# KiCad board Tanner 64k SRAM.kicad_pcb (continued)
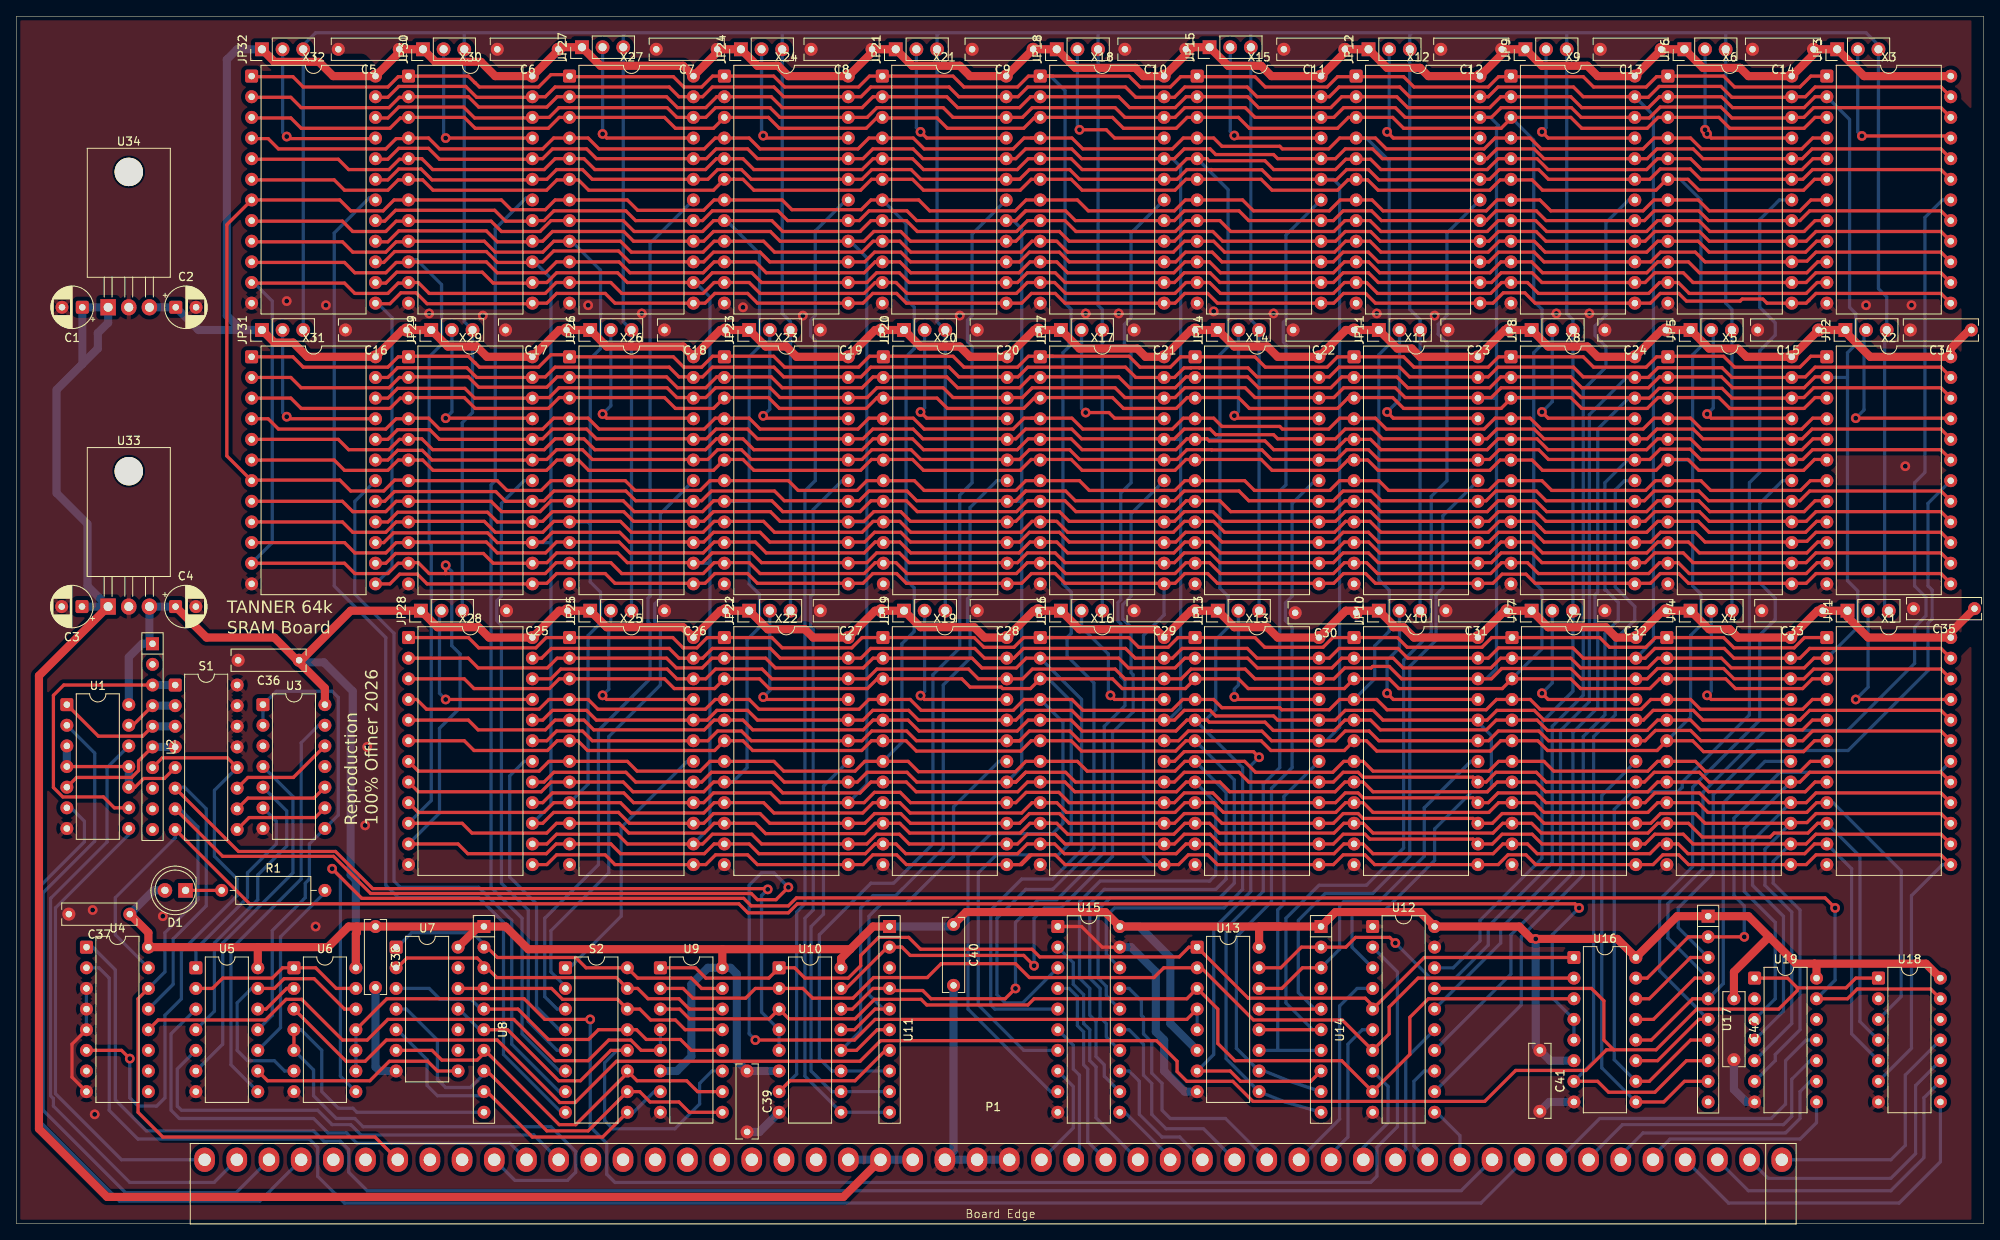
[diagram p0: board, top side]
## Routing (per net, layer and track width the routed paths; a pad name or vN(x,y) marks a point on that pad's centre or on a via; arc(x,y) is an arc through that point) (continued)
/RAM Chips/DS2: length 34.5
  Top w0.4: 54.48,28.96 65.87,28.96 67.21,27.62 73.98,27.62 S2.14 76.71,26.42 78.05,25.08 81.1,25.08 82.3,23.88 U9.13
/RAM Chips/DS3: length 44.2
  Top w0.4: 57.91,26.42 61.72,26.42 65.46,22.68 70.43,22.68 71.63,23.88 S2.13 76.32,23.88 77.52,22.68 81.72,22.68 83.06,21.34 U9.12
  Bottom w0.4: 46.86,28.96 50.8,28.96 52.14,27.62 55.95,27.62 57.15,26.42 57.91,26.42
/RAM Chips/DS4: length 56
  Top w0.4: 57.91,23.88 60.45,23.88 66.73,17.6 69.41,17.6 73.15,21.34 S2.12
  Bottom w0.4: U9.11 85.6,18.8 84.07,17.27 84.07,14.73 81.03,11.68 73.41,11.68 72.39,12.7 72.39,19.81 73.91,21.34 75.44,21.34 ; 54.48,26.42 57.02,23.88 57.91,23.88
/RAM Chips/DS5: length 48.9
  Top w0.4: 46.86,21.34 51.16,21.34 52.36,20.14 56.71,20.14 57.91,21.34 57.91,21.08 66.8,12.19 68.83,12.19 75.18,18.54 S2.11 76.38,17.6 82.48,17.6 83.82,16.26 U9.10
/RAM Chips/DS6: length 53.8
  Top w0.4: 57.91,18.8 65.28,11.43 70.36,11.43 S2.10 76.71,16.26 77.98,14.99 81.53,14.99 82.8,13.72 U9.9
  Bottom w0.4: 57.91,18.8 55.88,16.76 52.83,16.76 51.82,17.78 51.82,22.61 48.01,26.42 46.86,26.42
/RAM Chips/DS7: length 42.2
  Top w0.4: 57.91,16.26 63.5,10.67 72.14,10.67 S2.9
  Bottom w0.4: 57.91,16.26 57.4,15.75 51.82,15.75 50.55,17.02 50.55,20.19 46.86,23.88 ; U9.7 78.49,16.26 75.95,13.72 75.44,13.72
/RAM Chips/~{CE0}: length 60.1
  Top w0.4: v1(212.6,35.31) U17.2 205.74,35.31 200.66,30.23 U16.15
  Bottom w0.4: v1(212.6,35.31) 212.6,39.12 211.33,40.39 211.33,49.91 216.97,55.56 236.66,55.56 X1.18
/RAM Chips/~{CE1}: length 92
  Top w0.4: U17.3 205.99,32.77 200.91,27.69 U16.14
  Bottom w0.4: X2.18 235.2,88.65 235.2,78.49 235.71,77.98 235.71,74.42 235.2,73.91 235.2,68.07 225.37,58.24 214.19,58.24 208.79,52.83 208.79,43.18 204.47,38.86 204.47,36.45 U17.3
/RAM Chips/~{CE2}: length 130.9
  Top w0.4: U17.4 206.5,30.23 201.42,25.15 U16.13
  Bottom w0.4: X3.18 236.98,125.98 234.82,123.83 234.82,92.46 233.55,91.19 233.55,78.49 234.95,77.09 234.95,74.8 233.55,73.41 233.55,68.96 225.3,60.71 215.14,60.71 207.52,53.09 207.52,43.69 203.2,39.37 203.2,35.18 U17.4
/RAM Chips/~{CE3}: length 46.3
  Top w0.4: U16.12 201.17,22.61 206.25,27.69 U17.5
  Bottom w0.4: X4.18 215.14,56.9 210.02,51.78 210.02,29.56 U17.5
/RAM Chips/~{CE4}: length 88.7
  Top w0.4: U17.6 207.01,25.15 201.93,20.07 U16.11
  Bottom w0.4: U17.6 202.18,31.12 202.18,39.88 206.25,43.94 206.25,53.72 214.5,61.98 214.5,72.45 216.41,74.36 216.41,76.96 214.5,78.87 214.5,88.65 217.3,91.44 X5.18
/RAM Chips/~{CE5}: length 135.4
  Top w0.4: U16.10 200.91,17.53 205.99,22.61 U17.7
  Bottom w0.4: X6.18 216.92,125.98 214.5,123.57 214.5,112.78 216.41,110.87 216.41,109.35 214.5,107.44 214.5,92.46 213.23,91.19 213.23,62.61 204.98,54.36 204.98,53.72 204.41,53.16 198.77,53.16 196.6,50.99 196.6,20.19 U16.10
/RAM Chips/~{CE6}: length 55.3
  Top w0.4: U16.9 202.69,14.99 205.23,17.53 U17.9
  Bottom w0.4: U16.9 195.07,19.18 195.07,52.71 X7.18
/RAM Chips/~{CE7}: length 98.4
  Top w0.4: U16.7 194.56,17.53 195.9,16.19 201.61,16.19 205.49,20.07 U17.8
  Bottom w0.4: X8.18 197.87,91.44 196.72,90.3 196.72,78.36 199.14,75.95 199.14,74.3 196.72,71.88 196.72,62.61 194.06,59.94 194.06,19.94 U16.7
/RAM Chips/~{CE8}: length 134.2
  Top w0.4: v1(169.67,34.54) 168.98,35.24 164.78,35.24 163.58,34.04 U14.2 158.11,34.04 155.57,31.5 U13.15
  Bottom w0.4: X9.18 198.37,125.98 195.58,123.19 195.58,111.76 195.53,111.76 194.25,110.48 194.25,109.28 195.58,107.95 195.58,105.41 192.79,102.62 192.79,65.02 188.98,61.21 188.98,44.45 181.1,36.58 181.1,34.29 177.11,30.3 173.92,30.3 v1(169.67,34.54)
/RAM Chips/~{CE9}: length 45.1
  Top w0.4: U14.3 158.24,31.5 155.7,28.96 U13.14
  Bottom w0.4: U14.3 162.81,33.78 162.81,39.12 163.32,39.62 167.64,39.62 173.23,45.21 173.23,51.18 178.94,56.9 X10.18
/RAM Chips/~{CE10}: length 86.8
  Top w0.4: U13.13 U14.5
  Bottom w0.4: U14.5 159.77,26.42 157.73,28.45 157.73,37.34 161.04,40.64 166.88,40.64 171.45,45.21 171.45,68.58 174.69,71.82 174.69,77.41 175.51,78.23 175.51,87.12 X11.18
/RAM Chips/~{CE11}: length 126.3
  Top w0.4: U13.12 U14.6
  Bottom w0.4: U14.6 159.51,23.88 156.21,27.18 156.21,37.59 160.27,41.66 166.12,41.66 170.69,46.23 170.69,69.34 174.09,72.74 174.09,89.51 176.02,91.44 176.02,108.46 175.97,108.46 174.94,109.48 174.94,110.68 176.02,111.76 176.02,121.92 X12.18
/RAM Chips/~{CE12}: length 45.3
  Bottom w0.4: 155.19,21.34 155.19,38.61 155.96,39.37 155.96,52.58 X13.18 ; 155.19,21.34 U14.7 ; 155.19,21.34 U13.11
/RAM Chips/~{CE13}: length 87.1
  Bottom w0.4: U14.9 156.72,17.53 153.54,18.8 U13.10 150.11,21.59 150.11,35.31 154.43,39.62 154.43,53.59 156.97,56.13 156.97,73.41 156.15,74.23 156.15,76.39 156.97,77.22 156.97,88.65 159.77,91.44 X14.18
/RAM Chips/~{CE14}: length 124.6
  Bottom w0.4: U14.10 156.08,14.99 U13.9 148.84,20.32 148.84,36.32 153.42,40.89 153.42,54.1 155.45,56.13 155.45,90.17 156.21,90.93 156.21,108.2 155.89,108.52 155.89,110.93 156.21,111.25 156.21,121.67 X15.18
/RAM Chips/~{CE15}: length 70.5
  Top w0.4: U13.7 149.35,18.8 150.62,17.53 159.26,17.53 U14.8 ; v1(152.91,57.4) 152.22,58.1 143.69,58.1 142.49,56.9 X16.18
  Bottom w0.4: v1(152.91,57.4) 151.89,56.39 151.89,40.89 147.32,36.32 147.32,20.83 U13.7
/RAM Chips/~{CE16}: length 95.4
  Top w0.4: v1(125.22,31.75) 123.95,33.02 109.98,33.02 108.97,34.04 U11.2 107.19,34.04 102.11,28.96 U10.15
  Bottom w0.4: v1(125.22,31.75) 125.22,37.59 126.49,38.86 128.52,38.86 134.87,45.21 134.87,60.45 137.41,62.99 137.41,67.56 137.16,67.82 137.16,73.41 136.14,74.42 136.14,76.2 137.16,77.22 137.16,87.38 X17.18
/RAM Chips/~{CE17}: length 130.9
  Top w0.4: v1(122.94,28.96) 121.67,27.69 112.54,27.69 111.53,28.7 107.7,28.7 U11.4 105.41,28.96 102.87,26.42 U10.14
  Bottom w0.4: v1(122.94,28.96) 122.94,37.08 125.73,39.88 128.02,39.88 133.86,45.72 133.86,61.21 136.4,63.75 136.4,66.8 135.89,67.31 135.89,73.83 135.54,74.17 135.54,76.45 135.89,76.79 135.89,89.92 137.16,91.19 137.16,107.44 136.33,108.27 136.33,110.68 137.16,111.51 137.16,121.92 X18.18
/RAM Chips/~{CE18}: length 48.4
  Top w0.4: U11.5 105.66,26.42 103.12,23.88 U10.13
  Bottom w0.4: U11.5 106.68,26.42 104.9,28.19 104.9,37.85 106.43,39.37 109.47,39.37 115.32,45.21 115.32,51.31 120.9,56.9 X19.18
/RAM Chips/~{CE19}: length 88.2
  Top w0.4: U10.12 103.38,21.34 105.92,23.88 U11.6
  Bottom w0.4: U10.12 103.89,23.75 103.89,38.86 105.41,40.39 108.2,40.39 114.05,46.23 114.05,66.29 117.35,69.6 117.35,73.41 117.03,73.72 117.03,76.9 117.35,77.22 117.35,88.14 120.65,91.44 X20.18
/RAM Chips/~{CE20}: length 126.6
  Bottom w0.4: U11.8 U10.11 100.33,18.8 98.81,20.32 98.81,35.56 105.16,41.91 107.95,41.91 112.78,46.74 112.78,67.56 116.08,70.87 116.08,89.66 117.6,91.19 117.6,107.95 117.03,108.52 117.03,111.19 117.6,111.76 117.6,121.79 121.79,125.98
/RAM Chips/~{CE21}: length 50.7
  Bottom w0.4: U11.9 U10.10 100.33,16.26 97.79,18.8 97.79,36.58 99.31,38.1 99.31,53.85 X22.18
/RAM Chips/~{CE22}: length 88.6
  Bottom w0.4: 107.44,13.46 107.19,13.72 U10.9 97.03,18.16 97.03,37.59 98.04,38.61 98.04,73.15 97.73,73.47 97.73,77.15 98.04,77.47 98.04,87.88 101.6,91.44 X23.18
/RAM Chips/~{CE23}: length 129.6
  Top w0.4: U10.7 95.19,17.6 103.19,17.6 106.93,21.34 U11.7
  Bottom w0.4: X24.18 102.11,125.98 98.3,122.17 98.3,111.76 97.73,111.19 97.73,109.28 98.3,108.71 98.3,91.44 97.03,90.17 97.03,39.37 96.01,38.35 96.01,18.42 U10.7
/RAM Chips/~{CE24}: length 32.4
  Bottom w0.4: X25.18 82.55,56.9 74.42,48.77 74.42,37.85 68.07,31.5 67.82,31.5
/RAM Chips/~{CE25}: length 71.2
  Bottom w0.4: X26.18 79.25,87.38 79.25,76.96 78.56,76.27 78.56,74.1 79.25,73.41 79.25,66.29 72.9,59.94 72.9,43.18 65.79,36.07 65.79,30.99 67.82,28.96
/RAM Chips/~{CE26}: length 109.3
  Bottom w0.4: X27.18 77.98,120.65 77.98,77.22 77.72,76.96 77.72,74.08 77.98,73.83 77.98,67.06 71.63,60.71 71.63,44.2 65.02,37.59 65.02,27.94 66.55,26.42 67.82,26.42
/RAM Chips/~{CE27}: length 38.3
  Bottom w0.4: 67.82,23.88 66.8,23.88 64.01,26.67 64.01,39.37 60.71,42.67 60.71,55.12 62.48,56.9 X28.18
/RAM Chips/~{CE28}: length 76.9
  Bottom w0.4: X29.18 62.48,91.44 59.69,88.65 59.69,77.22 59.12,76.64 59.12,74.23 59.69,73.66 59.69,41.91 62.99,38.61 62.99,24.89 66.55,21.34 67.82,21.34
/RAM Chips/~{CE29}: length 114.6
  Bottom w0.4: X30.18 63.25,126.24 62.74,126.24 58.93,122.43 58.93,91.44 58.42,90.93 58.42,41.4 62.23,37.59 62.23,23.37 66.8,18.8 67.82,18.8
/RAM Chips/~{CE30}: length 93.3
  Bottom w0.4: X31.18 41.66,88.9 41.66,77.47 46.48,72.64 46.48,42.16 47.24,41.4 56.9,41.4 60.96,37.34 60.96,22.1 66.8,16.26 67.82,16.26
/RAM Chips/~{CE31}: length 133.3
  Bottom w0.4: 67.82,13.72 67.06,13.72 59.94,20.83 59.94,37.08 56.9,40.13 46.99,40.13 45.47,41.66 45.47,72.14 39.12,78.49 39.12,121.92 43.43,126.24 43.94,126.24 X32.18
/S0: length 37.3
  Top w0.4: U2.3 5.84,66.29 4.57,65.02 4.57,53.67 5.73,52.52 10.73,52.52 12.06,51.18 U1.9
  Bottom w1: S1.1 19.56,66.42 19.43,66.29 U2.3
/S1: length 6.9
  Top w0.4: U1.13 14.35,61.34 U2.4
  Bottom w1: U2.4 19.43,63.75 19.56,63.88 S1.2
/S2: length 15.4
  Top w0.4: U1.1 10.1,60 15.55,60 U2.5
  Bottom w1: U2.5 S1.3
/S3: length 16.1
  Top w0.4: U2.6 15.04,56.95 15.04,55.76 14.2,54.92 7.42,54.92 U1.5
  Bottom w1: U2.6 S1.4
/VMA: length 60
  Bottom w0.4: U5.3 19.05,23.37 19.05,13.97 20.07,12.95 36.58,12.95 38.35,11.18 40.64,11.18 41.91,9.91 60.74,9.91 P1.40
/~{AS}: length 218.1
  Top w0.4: v1(192.28,38.86) 191.77,39.37 96.1,39.37 94.99,38.26 90.01,38.26 88.9,39.37 28.7,39.37 S1.8
  Bottom w0.4: U16.5 U16.4 188.98,27.81 188.98,35.56 v1(192.28,38.86) ; S1.8 19.56,47.5 12.19,40.13 12.19,35.56 U4.15
/~{BS}: length 241.1
  Top w0.4: v1(90.93,22.61) 103.12,22.61 105.66,25.15 144.02,25.15 U13.4 ; v1(95,41.4) 93.47,39.88 91.19,39.88 90.42,40.64 43.6,40.64 39.03,45.21 25.4,45.21 S1.7 ; P1.44 44.14,10.67 18.03,10.67 14.99,13.72 14.99,27.69 U4.14
  Bottom w0.4: S1.7 19.68,51.18 20,51.18 22.35,48.83 22.35,39.88 18.29,35.81 18.29,30.99 U4.14 ; v1(95,41.4) 93.22,43.18 91.69,43.18 90.17,41.66 90.17,23.37 v1(90.93,22.61) ; U13.5 U13.4
/~{CS}: length 131.6
  Top w0.4: v1(92.46,41.15) 92.36,41.24 43.85,41.24 39.28,45.81 27.34,45.81 S1.6
  Bottom w0.4: v1(92.46,41.15) 91.69,40.39 91.69,26.04 U10.4 U10.5 ; U4.13 19.3,29.46 19.3,35.05 23.37,39.12 23.37,51.05 20.7,53.72 19.68,53.72 S1.6
/~{DS_SEL}: length 51.7
  Bottom w0.4: 37.97,61.34 37.21,61.34 35.05,59.18 35.05,42.42 26.42,33.78 26.42,19.56 U5.8
/~{DS}: length 73.9
  Top w0.4: U4.12 17.46,25.08 30.66,25.08 33.2,27.62 35.12,27.62 40.13,22.61 43.18,22.61 45.72,25.15 61.21,25.15 66.29,20.07 70.36,20.07 72.9,22.61 75.61,22.61 76.88,21.34 U9.5
  Bottom w0.4: U9.4 U9.5
/~{OE}: length 707.4
  Top w0.4: 102.36,96.59 91.19,96.59 89.99,97.79 86.11,97.79 84.91,96.59 71.37,96.59 70.17,97.79 65.97,97.79 64.77,96.59 63.5,96.59 ; X22.20 91.19,61.98 89.99,63.18 86.2,63.18 85,61.98 X25.20 71.37,61.98 70.17,63.18 65.97,63.18 64.77,61.98 X28.20 ; X1.20 236.8,63.18 220.64,63.18 219.44,61.98 X4.20 207.52,61.98 206.32,63.18 201.4,63.18 200.2,61.98 X7.20 187.96,61.98 186.76,63.18 182.16,63.18 180.96,61.98 X10.20 168.15,61.98 166.95,63.18 163.51,63.18 162.31,61.98 X13.20 155.19,61.98 154.69,62.48 147.57,62.48 146.88,63.18 143.69,63.18 142.49,61.98 X16.20 131.06,61.98 129.86,63.18 124.18,63.18 122.98,61.98 111,61.98 109.8,63.18 105.38,63.18 104.18,61.98 102.35,61.98 ; X30.20 64.77,131.06 65.97,132.26 70.17,132.26 71.37,131.06 84.91,131.06 86.11,132.26 89.99,132.26 91.19,131.06 X24.20 ; 102.35,131.06 104.18,131.06 105.38,132.26 110.35,132.26 111.55,131.06 122.98,131.06 124.18,132.26 129.86,132.26 131.06,131.06 142.49,131.06 143.69,132.26 146.88,132.26 147.57,131.57 154.69,131.57 155.19,131.06 162.31,131.06 163.51,132.26 166.88,132.26 168.08,131.06 180.96,131.06 182.16,132.26 186.76,132.26 187.96,131.06 200.66,131.06 201.86,132.26 206.32,132.26 207.52,131.06 219.74,131.06 220.94,132.26 236.8,132.26 X3.20 ; X29.20 52.07,96.52 50.87,97.72 46.92,97.72 45.72,96.52 X31.20 ; 238,96.59 236.8,97.79 220.94,97.79 219.74,96.59 207.52,96.59 206.32,97.79 201.86,97.79 200.66,96.59 187.96,96.59 186.76,97.79 182.16,97.79 180.96,96.59 168.08,96.59 166.88,97.79 163.51,97.79 162.31,96.59 155.19,96.59 154.69,97.1 147.57,97.1 146.88,97.79 143.69,97.79 142.49,96.59 131.06,96.59 129.86,97.79 124.18,97.79 122.98,96.59 111.55,96.59 110.35,97.79 105.38,97.79 104.18,96.59 102.35,96.59 ; 63.5,130.99 52.07,130.99 50.73,132.33 47.06,132.33 45.72,130.99 44.2,130.99
  Bottom w0.4: 143.26,96.45 143.26,63.5 141.73,61.98 X16.20 ; 143.26,96.45 143.26,130.05 142.24,131.06 X18.20 ; 143.26,96.45 143.19,96.52 X17.20 ; U12.3 164.34,34.04 164.34,38.1 164.85,38.61 168.4,38.61 174.5,44.7 174.5,48.57 179.08,53.16 180.92,53.16 181.48,53.72 181.48,60.07 179.58,61.98
/~{READ}: length 249.1
  Top w0.4: U18.1 226.31,30.23 225.11,29.03 219.13,29.03 ; U12.17 193.8,28.96 195.33,27.43 195.33,22.61 196.53,21.41 ; 196.53,21.41 201.75,21.41 206.76,26.42 216.84,26.42 219.13,28.71 219.13,29.03 ; 196.53,21.41 195.65,21.41 193.11,18.87 184.47,18.87 180.66,15.06 152.15,15.06 149.68,17.53 144.02,17.53 142.82,18.73 142.82,20 140.28,22.54 106.36,22.54 103.82,20 73.84,20 68.76,14.92 66.87,14.92 59.18,22.61 45.54,22.61 42.93,20 40.58,20 U6.3 ; U19.1 217.93,30.23 219.13,29.03
/~{WE}: length 997.4
  Bottom w0.4: JP22.3 JP23.3 95.25,111 94.23,112.01 JP24.3 94.23,146.56 ; 171.7,146.56 151.89,146.56 ; 171.7,146.56 171.45,146.3 JP12.3 171.45,112.52 172.72,111.25 JP11.3 JP10.3 ; 171.7,146.56 190.75,146.56 ; 151.89,146.56 133.1,146.56 ; 151.89,146.56 JP15.3 151.89,111.23 153.14,109.98 152.91,109.75 JP13.3 ; 210.31,146.56 227.58,146.56 229.11,145.03 JP3.3 229.11,115.06 230.12,114.05 JP2.3 229.87,109.73 229.87,75.95 JP1.3 ; 210.31,146.56 JP6.3 210.31,113.28 211.07,112.52 JP5.3 JP4.3 ; 210.31,146.56 190.75,146.56 ; 133.1,146.56 JP18.3 133.1,113.03 133.6,112.52 JP17.3 JP16.3 ; 133.1,146.56 113.54,146.56 ; 113.54,146.56 94.23,146.56 ; 113.54,146.56 113.28,146.3 JP21.3 113.28,111 JP20.3 JP19.3 ; 94.23,146.56 74.93,146.56 ; 74.93,146.56 55.12,146.56 ; 74.93,146.56 74.68,146.3 JP27.3 74.68,111 JP26.3 JP25.3 ; 55.12,146.56 36.83,146.56 35.31,145.03 JP32.3 JP31.3 ; 55.12,146.56 JP30.3 55.12,111 JP29.3 56.13,99.82 54.86,98.55 JP28.3 ; U12.18 176.78,31.5 180.09,34.8 180.09,37.34 187.71,44.96 187.71,61.72 191.52,65.53 191.52,111.25 190.75,112.01 190.75,146.56
/~{WRITE}: length 182.4
  Top w0.4: U6.11 45.59,27.69 62.48,27.69 65.02,25.15 v1(70.61,25.15)
  Bottom w0.4: U12.2 169.93,30.99 169.93,11.94 167.4,9.41 167.4,5.86 166.62,5.08 73.66,5.08 72.64,6.1 72.64,9.91 70.61,11.94 v1(70.61,25.15) ; U6.11 U6.10 U6.9
BR/~{W}: length 89.2
  Top w0.4: U6.4 U6.5
  Bottom w0.4: U6.5 36.58,18.92 36.58,15.75 39.37,12.95 41.66,12.95 42.67,11.94 65.79,11.94 68.83,8.89 68.83,6.35 67.82,5.33 61.35,5.33 P1.41 ; 57.91,13.72 41.91,13.72 41.4,14.22 39.62,14.22 37.59,16.26 37.59,21.34 35.05,23.88 U6.4
Net-(D1-K): length 4.4
  Top w0.4: D1.1 R1.1
Net-(JP1-C): length 23.2
  Top w0.4: X1.21 v1(226.31,64.52)
  Bottom w0.4: v1(226.31,64.52) 227.84,66.04 JP1.2
Net-(JP2-C): length 23.1
  Top w0.4: 238,99.13 v1(226.31,99.13)
  Bottom w0.4: JP2.2 227.33,109.73 227.33,100.15 v1(226.31,99.13)
Net-(JP3-C): length 21.9
  Top w0.4: X3.21 237.91,133.6 237.65,133.86 v1(227.08,133.86)
  Bottom w0.4: v1(227.08,133.86) 226.57,134.37 JP3.2
Net-(JP4-C): length 21.1
  Top w0.4: v1(208.03,65.02) 208.53,64.52 X4.21
  Bottom w0.4: v1(208.03,65.02) 208.53,65.53 JP4.2
Net-(JP5-C): length 21.3
  Top w0.4: 218.31,99.13 208.53,99.13 v1(208.03,99.64)
  Bottom w0.4: v1(208.03,99.64) 208.79,100.4 208.79,109.73 JP5.2
Net-(JP6-C): length 20.4
  Top w0.4: v1(208.03,134.11) 208.53,133.6 218.31,133.6
  Bottom w0.4: JP6.2 v1(207.77,134.62)
Net-(JP7-C): length 22.6
  Top w0.4: X7.21 188.47,64.52 v1(187.71,65.28)
  Bottom w0.4: v1(187.71,65.28) 188.98,66.55 JP7.2
Net-(JP8-C): length 22.5
  Top w0.4: 199.26,99.13 188.47,99.13 v1(187.71,99.89)
  Bottom w0.4: JP8.2 188.98,101.16 v1(187.71,99.89)
Net-(JP9-C): length 22.2
  Top w0.4: v1(187.71,134.37) 188.47,133.6 199.26,133.6
  Bottom w0.4: v1(187.71,134.37) 188.21,134.87 JP9.2
Net-(JP10-C): length 22.3
  Top w0.4: X10.21 169.42,64.52 v1(168.66,65.28)
  Bottom w0.4: v1(168.66,65.28) 168.66,69.34 170.18,70.87 JP10.2
Net-(JP11-C): length 22.2
  Top w0.4: v1(168.66,99.89) 169.42,99.13 179.83,99.13
  Bottom w0.4: v1(168.66,99.89) 170.18,101.42 JP11.2
Net-(JP12-C): length 21.8
  Top w0.4: 179.83,133.6 169.42,133.6 v1(168.66,134.37)
  Bottom w0.4: v1(168.66,134.37) 168.91,134.62 JP12.2
Net-(JP13-C): length 21.4
  Top w0.4: v1(149.86,64.83) 150.17,64.52 X13.21
  Bottom w0.4: v1(149.86,64.83) 149.86,65.79 150.37,66.29 JP13.2
Net-(JP14-C): length 21.3
  Top w0.4: v1(149.86,99.44) 150.17,99.13 160.27,99.13
  Bottom w0.4: v1(149.86,99.44) 150.37,99.95 JP14.2
Net-(JP15-C): length 21.6
  Top w0.4: 160.27,133.6 150.17,133.6 v1(149.86,133.91)
  Bottom w0.4: JP15.2 149.35,134.42 v1(149.86,133.91)
Net-(JP16-C): length 18.7
  Top w0.4: v1(134.62,65.02) 135.13,64.52 X16.21
  Bottom w0.4: JP16.2 131.06,73.41 134.37,70.1 134.37,65.28 v1(134.62,65.02)
Net-(JP17-C): length 20.3
  Top w0.4: v1(131.57,99.82) 134.44,99.82 135.13,99.13 141.22,99.13
  Bottom w0.4: v1(131.57,99.82) 131.06,100.33 JP17.2
Net-(JP18-C): length 20.8
  Top w0.4: v1(130.81,134.62) 134.11,134.62 135.13,133.6 X18.21
  Bottom w0.4: JP18.2 130.56,134.87 v1(130.81,134.62)
Net-(JP19-C): length 21.5
  Top w0.4: v1(111.25,64.99) 111.73,64.52 X19.21
  Bottom w0.4: v1(111.25,64.99) 111.76,65.5 JP19.2
Net-(JP20-C): length 21.2
  Top w0.4: 121.87,99.13 112.01,99.13 v1(111.25,99.89)
  Bottom w0.4: v1(111.25,99.89) 111.76,100.4 JP20.2
Net-(JP21-C): length 21.3
  Top w0.4: 121.87,133.6 112.01,133.6 v1(111.25,134.37)
  Bottom w0.4: JP21.2 110.74,134.87 v1(111.25,134.37)
Net-(JP22-C): length 21.6
  Top w0.4: X22.21 92.19,64.52 v1(91.9,64.81)
  Bottom w0.4: v1(91.9,64.81) 92.71,65.62 JP22.2
Net-(JP23-C): length 21.5
  Top w0.4: v1(91.9,99.42) 92.19,99.13 102.36,99.13
  Bottom w0.4: v1(91.9,99.42) 92.71,100.23 JP23.2
Net-(JP24-C): length 21.3
  Top w0.4: X24.21 92.19,133.6 v1(91.9,133.89)
  Bottom w0.4: v1(91.9,133.89) 91.69,134.1 JP24.2
Net-(JP25-C): length 22.2
  Top w0.4: X25.21 72.64,64.52 v1(72.14,65.02)
  Bottom w0.4: JP25.2 73.15,73.66 72.9,73.41 72.9,65.79 v1(72.14,65.02)
Net-(JP26-C): length 22.2
  Top w0.4: v1(72.14,99.64) 72.64,99.13 83.31,99.13
  Bottom w0.4: JP26.2 73.15,100.65 v1(72.14,99.64)
Net-(JP27-C): length 22.1
  Top w0.4: v1(72.14,134.11) 72.64,133.6 X27.21
  Bottom w0.4: JP27.2 v1(72.14,134.11)
Net-(JP28-C): length 22
  Top w0.4: X28.21 v1(52.83,64.52)
  Bottom w0.4: JP28.2 52.07,75.18 52.07,65.28 v1(52.83,64.52)
Net-(JP29-C): length 21.8
  Top w0.4: 63.5,99.13 v1(52.83,99.13)
  Bottom w0.4: JP29.2 53.59,99.89 v1(52.83,99.13)
Net-(JP30-C): length 21.7
  Top w0.4: X30.21 v1(52.83,133.6)
  Bottom w0.4: v1(52.83,133.6) 52.58,133.86 JP30.2
Net-(JP31-C): length 21.9
  Top w0.4: X31.21 33.53,99.06 v1(33.27,99.31)
  Bottom w0.4: v1(33.27,99.31) 32.77,99.82 JP31.2
Net-(JP32-C): length 22
  Top w0.4: v1(33.27,133.79) 33.53,133.53 44.2,133.53
  Bottom w0.4: v1(33.27,133.79) 32.77,134.3 JP32.2
Net-(R1-Pad2): length 23.1
  Bottom w0.4: R1.2 37.97,40.77 32.51,35.31 32.51,24.13 U5.10
Net-(S1-Pad5): length 19.4
  Top w0.4: U1.10 14.6,53.72 15.68,54.79 18.22,54.79 S1.5 ; U1.4 U1.11
  Bottom w1: U1.3 U1.4 ; U1.11 U1.10
Net-(S1-Pad9): length 11.9
  Top w0.4: S1.9 28.64,49.98 36.77,49.98 37.97,51.18
Net-(S1-Pad10): length 11.9
  Top w0.4: S1.10 28.5,52.38 36.63,52.38 37.97,53.72
Net-(S1-Pad11): length 13
  Top w0.4: 37.97,58.8 34.09,54.92 28.5,54.92 S1.11
Net-(U3-Pad1): length 57.8
  Bottom w0.4: U5.11 31.5,25.65 31.5,36.07 35.56,40.13 35.56,41.91 36.07,42.42 36.07,46.74 39.62,50.29 39.62,64.77 38.86,65.53 32,65.53 U3.1 U3.2
Net-(U3-Pad4): length 43.9
  Bottom w0.4: U5.6 25.4,22.1 25.4,34.54 34.04,43.18 34.04,52.58 U3.4
Net-(U3-Pad5): length 35.7
  Bottom w0.4: U3.5 33.27,50.8 33.27,46.48 29.72,42.93 29.72,39.88 24.38,34.54 24.38,26.16 U5.4
Net-(U3-Pad6): length 24.5
  Bottom w0.4: U5.1 22.1,33.78 28.45,40.13 28.45,43.18 32,46.74 32,49.53 U3.6
Net-(U5-Pad2): length 21.8
  Top w0.4: U5.2 24.13,28.96 25.4,30.23 31.5,30.23 32.77,31.5 U6.1 36.83,31.5 39.37,28.96 U6.13
Net-(U5-Pad9): length 26.8
  Top w0.4: U5.9 30.92,17.6 43.5,17.6 45.9,20 50.62,20 51.82,18.8 54.48,18.8
Net-(U5-Pad12): length 5.5
  Top w0.4: U6.2 33.27,28.96 30.73,26.42 U5.12
Net-(U5-Pad13): length 31.3
  Top w0.4: U5.13 31.75,28.96 32.95,30.16 36.65,30.16 40.39,26.42 U6.12
  Bottom w0.4: U6.6 33.02,18.8 31.75,20.07 28.45,20.07 27.18,21.34 27.18,27.18 28.96,28.96 U5.13
Net-(U18-OEb): length 244.7
  Top w0.4: U19.13 225.3,27.69 226.5,28.89 235.53,28.89 U18.13 ; v1(38.86,43.69) 42.51,40.04 89.5,40.04 90.42,39.12 95,39.12 95.98,40.1 222.54,40.1 v1(223.77,38.86)
  Bottom w0.4: U19.13 223.77,29.97 v1(223.77,38.86) ; U6.8 39.88,18.16 39.88,42.67 v1(38.86,43.69)

## Copper pours and planes (outline as drawn; the poured copper is in the pictures)
GND on Top, Bottom: 243.33,149.86 243.84,-1.02 -2.29,-1.27 -3.81,150.37 -3.56,150.37 13.84,150.11

## Text on the board
F.Silkscreen: TANNER 64k / SRAM Board | Reproduction / 100% Offner 2026
